# Altium PCB ReconProbe.PcbDoc (part 3 of 4)
Units mm, origin at the board's own origin, x right, y up, seen from the top; angles counter-clockwise.
Board outline 177 x 102.23 mm, 4 copper layers (Top Layer, Layer 2, Layer 3, Bottom Layer), stack 1.624 mm thick; 383 components, 277 nets, 1385 pads, 589 vias.
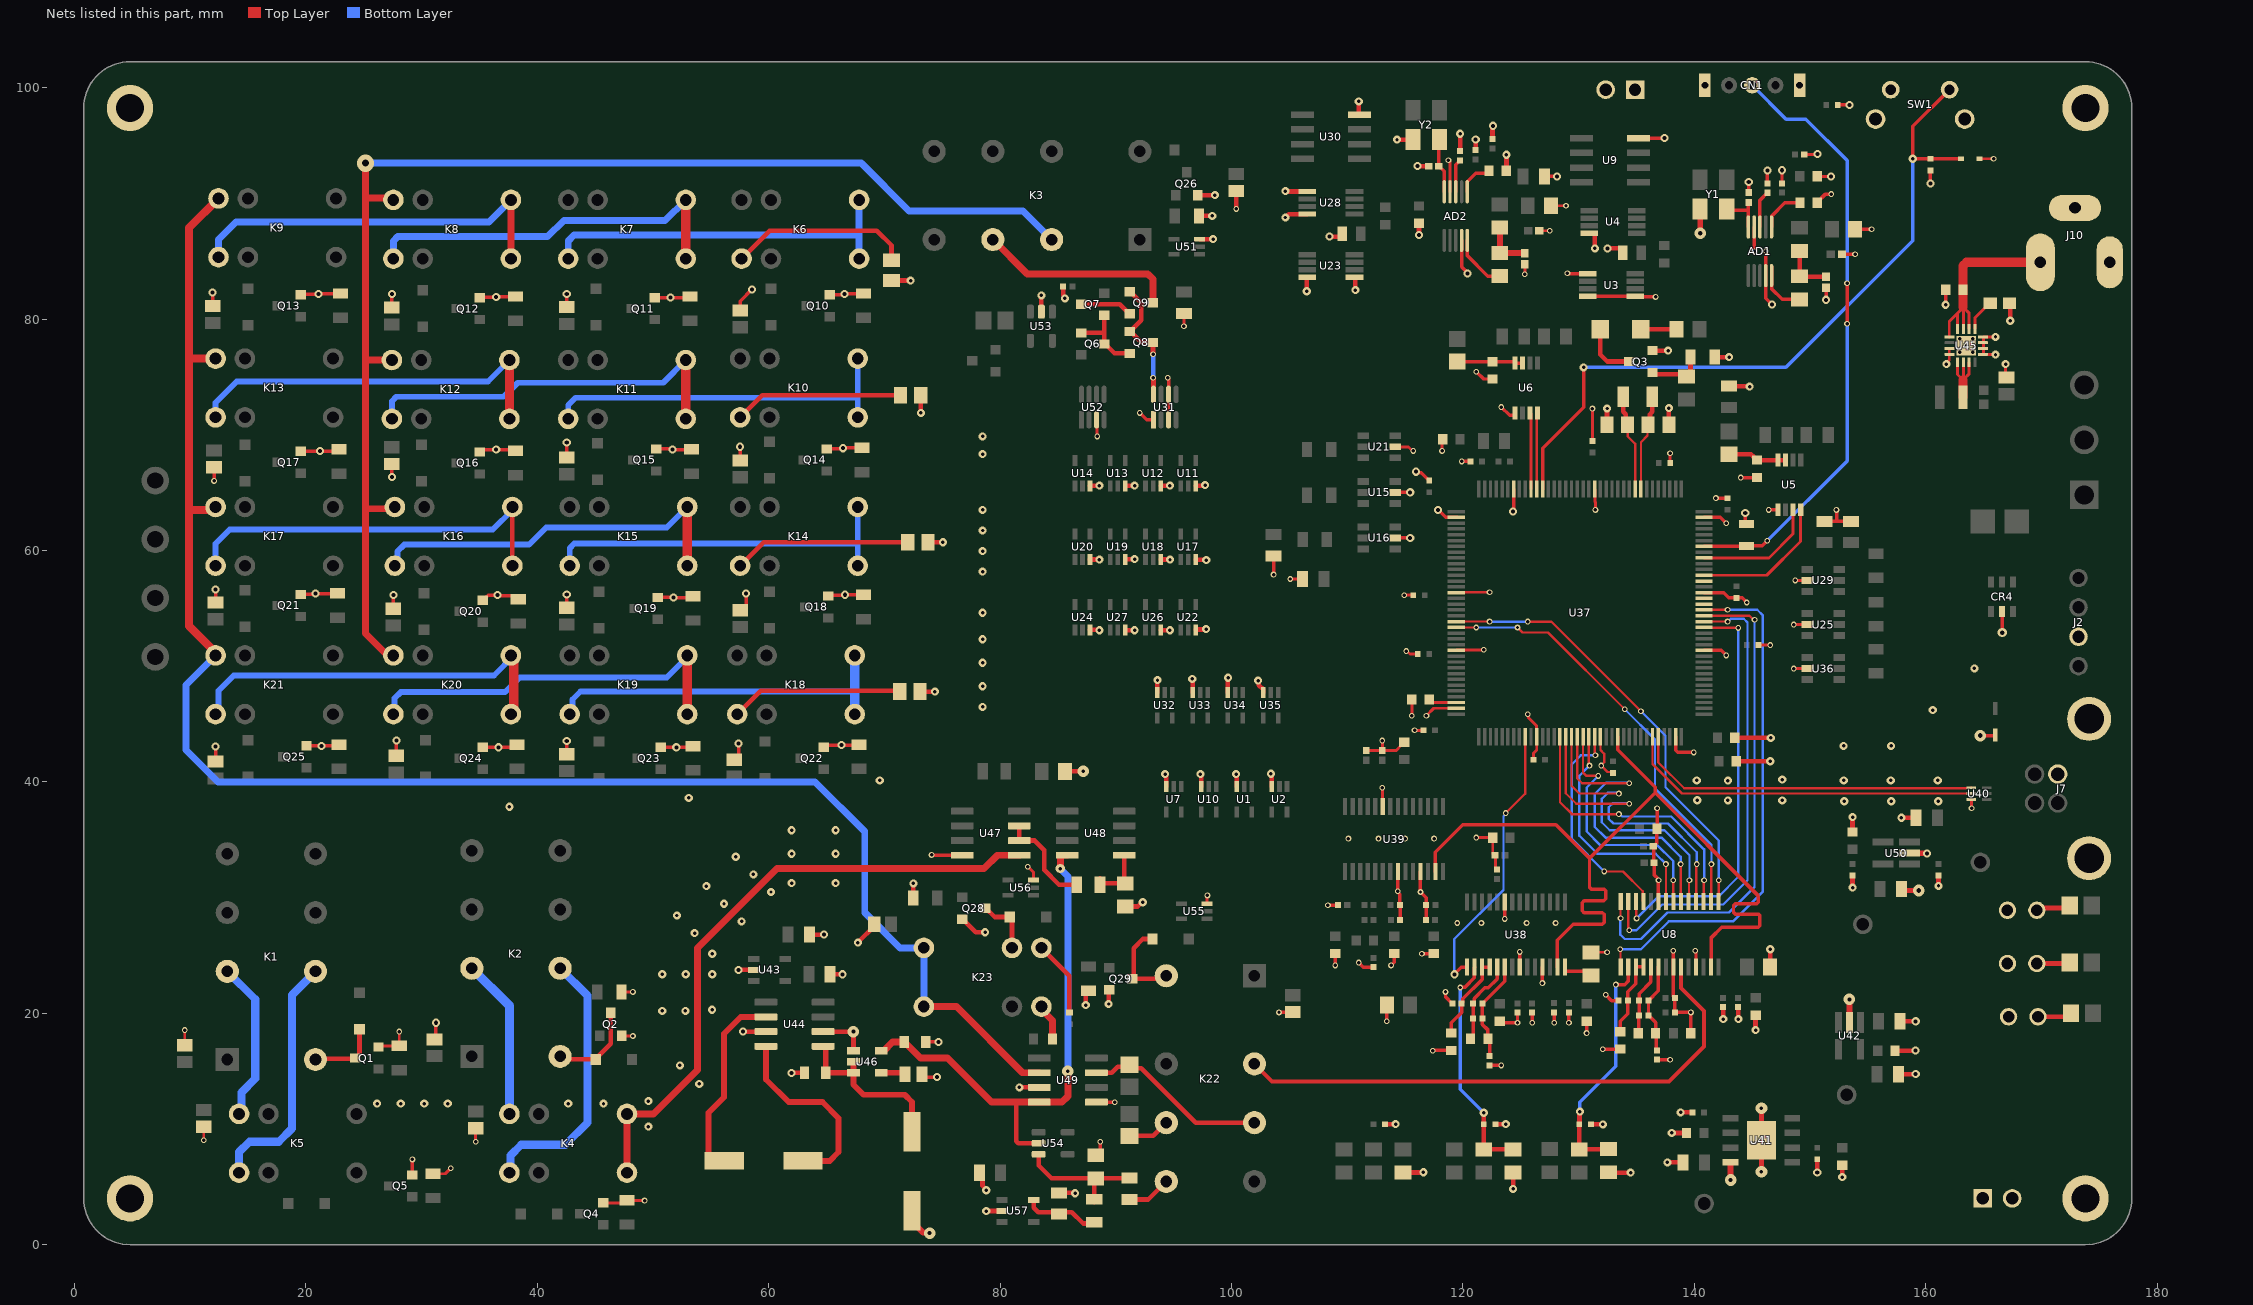
[diagram p5: the nets of this part, all layers, seen from the top]

## Via types
v1: diameter 0.5, hole 0.3, Top Layer to Bottom Layer, 283 vias
v2: diameter 0.7, hole 0.3, Top Layer to Bottom Layer, 155 vias
v3: diameter 0.7, hole 0.35, Top Layer to Bottom Layer, 85 vias
v4: diameter 1, hole 0.3, Top Layer to Bottom Layer, 24 vias
v5: diameter 0.8, hole 0.3, Top Layer to Bottom Layer, 16 vias
v6: diameter 1.2, hole 0.3, Top Layer to Bottom Layer, 7 vias
v7: diameter 0.8, hole 0.4, Top Layer to Bottom Layer, 4 vias
v8: diameter 1, hole 0.35, Top Layer to Bottom Layer, 4 vias
v9: diameter 1, hole 0.4, Top Layer to Bottom Layer, 4 vias
v10: diameter 1.2, hole 0.5, Top Layer to Bottom Layer, 2 vias
v11: diameter 1.5, hole 0.6, Top Layer to Bottom Layer, 2 vias
v12: diameter 1.2, hole 0.35, Top Layer to Bottom Layer, 1 vias
v13: diameter 1.2, hole 0.4, Top Layer to Bottom Layer, 1 vias
v14: diameter 0.8, hole 0.35, Top Layer to Bottom Layer, 1 vias

## Nets (pads, with @x,y where several pads share a name; then routed paths per layer and width w, separated by ;. In a path a pad name is that pad's centre, name@x,y a point inside that pad or via, vN(x,y) a via of type N, cw(c..) or ccw(c..) an arc to the next point about the centre after c; other vN are vias at no path point) (continued)
ADC2_MODE: C76.1 R30.1 R33.2 U38.2 | length 19.9
  Top Layer w0.3: v1(119.761,22.225) 119.799,22.263 120.18,22.263 120.988,23.071 120.988,23.954 U38.2@121.012,23.978
  Top Layer w0.4: R30.1@121.793,8.223 R30.1@121.801,8.231 ; v2(121.8,11.4) C76.1@121.801,10.414 R30.1@121.801,8.231 ; R33.2@124.333,8.239 121.809,8.239 R30.1@121.801,8.231
  Bottom Layer w0.3: v1(119.761,22.225) 119.761,13.439 v2(121.8,11.4)
ADC2_OTR: U37.81 U38.1 | length 24.5
  Top Layer w0.2: v1(123.7,37.3) 125.382,38.982 U37.81@125.382,43.981
  Top Layer w0.3: v3(119.253,23.368) 119.863,23.978 U38.1@120.362,23.978
  Bottom Layer w0.2: v3(119.253,23.368) 119.253,26.416 123.5,30.663 123.5,37.019 123.7,37.219 v1(123.7,37.3)
ADC2_PDWN: R23.2 U38.14 | length 2.7
  Top Layer w0.3: U38.14@128.812,23.978 128.812,23.65 128.84,23.622 130.699,23.622 R23.2@131.064,23.257
ADC2_PRESCALE: R29.2 U47.6 U47.7 | length 8.8
  Top Layer w0.4: U47.7@81.661,36.195 U47.6@81.661,34.925 83,34.925 83.82,34.105 83.82,32.385 85.09,31.115 R29.2@86.63,31.115
ADC2_REFB: C40.1 C41.1 C47.1 U38.5 | length 7.3
  Top Layer w0.3: C47.1@120.662,17.78 120.885,18.003 C40.1@120.885,19.558 C41.1@120.885,20.828 120.974,20.917 120.974,21.274 121.9,22.2 122.2,22.2 122.962,22.962 U38.5@122.962,23.978
ADC2_REFT: C40.2 C41.2 C47.2 C48.1 U38.6 | length 8.7
  Top Layer w0.3: C48.1@122.301,16.294 122.301,17.641 C47.2@122.162,17.78 122.162,18.554 121.685,19.031 C40.2@121.685,19.558 C41.2@121.685,20.828 123.612,22.755 U38.6@123.612,23.978
ADC2_SCALE: R29.1 R35.2 U48.5 | length 4.8
  Top Layer w0.25: R29.1@88.63,31.75 R29.1@88.757,31.623
  Top Layer w0.4: R29.1@88.63,31.115 88.757,31.242 R35.2@90.789,31.242 ; U48.5@90.735,33.655 90.735,31.296 R35.2@90.789,31.242 ; R35.2@90.805,31.226 R35.2@90.789,31.242
ADC2_SENSE: C42.1 C51.1 U38.3 U38.4 | length 7.4
  Top Layer w0.3: C42.1@118.999,18.288 118.999,19.177 119.888,20.066 C51.1@119.888,20.828 119.998,20.938 119.998,21.254 121.662,22.918 U38.3@121.662,23.978 U38.4@122.312,23.978
ADC2_VIN+: K4.3 K4.4 U47.5 | length 54.4
  Top Layer w0.6: K4.3@47.752,6.223 K4.4@47.752,11.303 50.038,11.303 53.848,15.113 53.848,25.654 60.706,32.512 78.613,32.512 79.756,33.655 U47.5@81.661,33.655
ADC3_D0: U8.15 U37.56 | length 38.3
  Top Layer w0.2: U37.56@119.432,53.856 v1@122.293,53.856 ; v1(125.603,53.848) 127.635,53.848 v1(135.382,46.101) ; U8.15@142.102,29.793 142.102,31.485 v1(142.113,31.496)
  Bottom Layer w0.2: v1(122.301,53.848) v1(125.603,53.848) ; v1(135.382,46.101) 137.5,43.983 137.5,39.538 142.113,34.925 v1(142.113,31.496)
ADC3_D1: U8.16 U37.57 | length 37.4
  Top Layer w0.2: U37.57@119.432,53.356 119.448,53.34 v1(121.158,53.34) ; v1(124.714,53.34) 125.154,52.9 127.36,52.9 v1(133.984,46.276) ; U8.16@141.459,29.494 141.459,32.874 v1(141.478,32.893)
  Bottom Layer w0.2: v1(121.158,53.34) v1(124.714,53.34) ; v1(133.984,46.276) 136.6,43.66 136.6,39.422 141.478,34.544 v1(141.478,32.893)
ADC3_D2: U8.17 U37.87 | length 24
  Top Layer w0.2: U37.87@128.382,43.981 128.382,38.242 129.413,37.211 v1(133.477,37.211) ; U8.17@140.817,30.064 140.817,31.47 v1(140.843,31.496)
  Bottom Layer w0.2: v1(133.477,37.211) 133.548,37.211 133.759,37 138.006,37 140.843,34.163 v1(140.843,31.496)
ADC3_D3: U8.18 U37.88 | length 26.6
  Top Layer w0.2: U37.88@128.882,43.981 128.882,39.012 129.794,38.1 v1(134.366,38.1) ; U8.18@140.174,29.924 140.174,32.859 v1(140.208,32.893)
  Bottom Layer w0.2: v1(134.366,38.1) 134.309,38.157 132.957,38.157 132.6,37.8 132.6,36.8 133,36.4 137.717,36.4 140.208,33.909 v1(140.208,32.893)
ADC3_D4: U8.19 U37.89 | length 25
  Top Layer w0.2: U37.89@129.382,43.981 129.382,39.655 130.048,38.989 v1(133.477,38.989) ; U8.19@139.491,29.859 139.532,29.9 139.532,31.455 v1(139.573,31.496)
  Bottom Layer w0.2: v1(133.477,38.989) 133.42,39.046 132.518,39.046 132,38.528 132,36.5 132.686,35.814 137.414,35.814 139.573,33.655 v1(139.573,31.496)
ADC3_D5: U8.20 U37.90 | length 27.4
  Top Layer w0.2: U37.90@129.882,43.981 129.882,40.298 130.302,39.878 v1(134.366,39.878) ; v1(138.811,32.893) 138.826,32.878 U8.20@138.826,29.197
  Bottom Layer w0.2: v1(134.366,39.878) 134.309,39.935 132.391,39.935 131.4,38.944 131.4,36.1 132.321,35.179 137.16,35.179 138.811,33.528 v1(138.811,32.893)
ADC3_D6: U8.21 U37.91 | length 21.6
  Top Layer w0.2: U37.91@130.382,43.981 130.382,40.814 130.683,40.513 v1(131.699,40.513) ; U8.21@138.176,29.94 v1(138.176,31.496)
  Bottom Layer w0.2: v1(131.699,40.513) 130.7,39.514 130.7,35.7 131.856,34.544 136.779,34.544 138.176,33.147 v1(138.176,31.496)
ADC3_D7: U8.22 U37.92 | length 20.8
  Top Layer w0.2: U37.92@130.882,43.981 130.882,41.457 v1(130.937,41.402) ; U8.22@137.541,29.64 v1(137.541,32.893)
  Bottom Layer w0.2: v1(130.937,41.402) 130.048,40.513 130.048,35.352 131.618,33.782 136.652,33.782 v1(137.541,32.893)
ADC3_D8: U8.25 U37.93 | length 19.4
  Top Layer w0.2: U37.93@131.382,43.981 131.382,42.435 131.445,42.372 v1(131.445,42.291) ; v1(132.207,32.258) 133.824,32.258 135.536,30.546 135.536,29.697 U8.25@135.591,29.642
  Bottom Layer w0.2: v1(131.445,42.291) 130.191,42.291 129.413,41.513 129.413,35.052 v1(132.207,32.258)
ADC3_D9: U8.26 U37.124 | length 36.1
  Top Layer w0.2: U8.26@134.971,29.42 134.971,28.224 v1(135.001,28.194) ; U37.124@140.757,53.356 140.785,53.328 143.772,53.328 v1(143.8,53.3)
  Bottom Layer w0.2: v1(135.001,28.194) 136.907,30.1 142.1,30.1 143.8,31.8 v1(143.8,53.3)
ADC3_D10: U8.27 U37.125 | length 40.9
  Top Layer w0.2: U8.27@134.291,29.642 134.291,27.334 134.366,27.259 v1(134.366,27.178) ; U37.125@140.757,53.856 140.761,53.852 142.871,53.852 v1(142.875,53.848)
  Bottom Layer w0.2: v1(134.366,27.178) 135.001,27.178 137.223,29.4 142.5,29.4 144.6,31.5 144.6,53.774 144.274,54.1 143.157,54.1 142.905,53.848 v1(142.875,53.848)
ADC3_D11: U8.28 U37.126 | length 44.2
  Top Layer w0.2: v1(133.622,28.212) 133.622,29.623 U8.28@133.641,29.642 ; U37.126@140.757,54.356 144.763,54.356 145.119,54 v1(145.2,54)
  Bottom Layer w0.2: v1(133.622,28.212) 133.604,28.194 133.604,26.797 133.985,26.416 135.382,26.416 137.668,28.702 143.002,28.702 145.2,30.9 v1(145.2,54)
ADC3_D13: U37.128
ADC3_D14: U37.129
ADC3_D15: U37.132
ADC3_INPUT: K22.7 U8.9 | length 48.4
  Top Layer w0.35: K22.7@101.981,15.621 103.502,14.1 137.798,14.1 140.843,17.145 140.843,20.193 138.841,22.195 U8.9@138.841,24.003
ADC3_MODE: C118.1 R75.1 R76.2 U8.2 | length 20.5
  Top Layer w0.3: v1(133.223,22.479) 133.985,22.479 134.291,22.785 U8.2@134.291,24.003
  Top Layer w0.4: R75.1@130.048,8.239 R75.1@130.056,8.247 ; v2(130.1,11.5) 130.078,11.478 130.078,10.436 C118.1@130.056,10.414 R75.1@130.056,8.247 ; R76.2@132.588,8.255 130.064,8.255 R75.1@130.056,8.247
  Bottom Layer w0.3: v2(130.1,11.5) 130.1,12.3 133.223,15.423 v1(133.223,22.479)
ADC3_OTR: U8.1 U37.127 | length 45.2
  Top Layer w0.2: v1(133.604,25.527) 133.622,25.509 U8.1@133.622,23.96 ; U37.127@140.757,54.856 140.761,54.86 142.871,54.86 v1(142.875,54.864)
  Bottom Layer w0.2: v1(133.604,25.527) 135.382,25.527 137.795,27.94 143.34,27.94 145.923,30.523 145.923,54.377 145.436,54.864 v1(142.875,54.864)
ADC3_REFB: C127.1 C129.1 C130.1 U8.5 | length 6.2
  Top Layer w0.3: C130.1@135.14,18.288 135.188,18.336 135.188,19.764 C129.1@135.236,19.812 C127.1@135.236,21.082 135.236,21.698 136.241,22.703 U8.5@136.241,24.003
ADC3_REFT: C127.2 C129.2 C130.2 C134.1 U8.6 | length 7.8
  Top Layer w0.3: C134.1@136.779,16.91 136.71,16.979 136.71,18.242 136.652,18.3 136.652,19.196 C129.2@136.036,19.812 C127.2@136.036,21.082 136.891,21.937 U8.6@136.891,24.003
ADC3_SENSE: C126.1 C128.1 U8.3 U8.4 | length 6.8
  Top Layer w0.3: C128.1@133.604,18.403 133.604,19.304 134.258,19.958 C126.1@134.258,21.082 134.258,21.863 134.941,22.546 U8.3@134.941,24.003 U8.4@135.591,24.003
ADC_CLK: U8.13 U37.97 U38.13 U39.13 | length 75.1
  Top Layer w0.3: U39.13@117.621,32.233 117.621,33.928 119.993,36.3 128.038,36.3 130.937,33.401 ; U38.13@128.162,23.978 128.162,26.308 129.54,27.686 132.046,27.686 132.207,27.847 132.207,28.541 132.046,28.702 130.463,28.702 130.302,28.863 130.302,29.557 130.463,29.718 132.173,29.718 132.334,29.879 132.334,30.573 132.173,30.734 131.098,30.734 130.937,30.895 130.937,33.401 ; U37.97@133.382,43.906 133.382,42.767 136.604,39.545 136.604,39.068 ; U8.13@141.441,24.003 141.441,26.506 142.367,27.432 145.508,27.432 145.669,27.593 145.669,28.414 145.508,28.575 143.544,28.575 143.383,28.736 143.383,29.303 143.544,29.464 145.381,29.464 145.542,29.625 145.542,30.131 136.604,39.068 ; 130.937,33.401 136.604,39.068
"Barrel VIN": C85.2 J10.1 U45.10 U45.11 U45.12 U45.13 | length 18.6
  Top Layer w0.25: U45.13@162.025,78.45 162.025,79.781 162.75,80.506 ; U45.12@162.75,79.175 162.75,80.506 ; U45.11@163.25,79.175 163.25,81.006 ; U45.10@163.75,79.175 163.75,80.506 163.25,81.006 ; 162.75,80.506 163.25,81.006
  Top Layer w0.8: 163.221,81.035 C85.2@163.221,82.513 163.221,84.592 163.529,84.9 J10.1@169.9,84.9
CurSense: K9.6 K13.6 K17.6 K21.6 K23.3 K23.4 U49.2 | length 148.3
  Top Layer w0.6: K23.4@73.406,20.574 76.226,20.574 81.941,14.859 U49.2@83.382,14.859
  Top Layer w0.7: K17.6@12.277,63.5 9.906,63.5 ; K21.6@12.446,50.927 9.906,53.467 9.906,63.5 ; K9.6@12.446,90.424 9.906,87.884 9.906,76.708 ; K13.6@12.573,76.581 K13.6@12.192,76.581 10.033,76.581 9.906,76.708 ; 9.906,63.5 9.906,76.708
  Bottom Layer w0.6: K21.6@12.192,50.927 9.652,48.387 9.652,42.748 12.4,40 64.013,40 68.3,35.713 68.3,28.7 71.346,25.654 K23.3@73.406,25.654 K23.4@73.406,20.574
DAC1_CLK: AD1.5 C120.1 Y1.3 | length 4
  Top Layer w0.3: Y1.3@142.8,89.5 142.9,89.4 144.669,89.4 ; AD1.5@144.669,87.952 144.669,89.4 ; C120.1@144.7,90.071 144.669,90.04 144.669,89.4
DAC2_CLK: AD2.5 C121.1 Y2.3 | length 4.7
  Top Layer w0.3: Y2.3@117.983,95.504 117.904,95.425 C121.1@117.904,93.218 117.925,93.218 118.38,92.763 AD2.5@118.38,91
DC_IOUT: K3.6 Q9.3 | length 17.3
  Top Layer w0.6: K3.6@79.375,86.868 82.343,83.9 92.757,83.9 93.202,83.455 Q9.3@93.202,81.407
DPDT1O1: K1.2 K5.1 | length 21.6
  Bottom Layer w0.7: K5.1@14.224,6.223 14.224,8.001 15.113,8.89 17.653,8.89 18.796,10.033 18.796,21.59 K1.2@20.828,23.622
DPDT1O2: K1.7 K5.6 | length 13.9
  Bottom Layer w0.7: K1.7@13.208,23.622 15.621,21.209 15.621,14.351 14.43,13.16 14.43,11.509 K5.6@14.224,11.303
DPDT2O1: K2.2 K4.1 | length 23.7
  Bottom Layer w0.7: K4.1@37.592,6.223 37.684,6.315 37.684,7.712 38.608,8.636 42.418,8.636 44.323,10.541 44.323,21.531 K2.2@41.967,23.887
DPDT2O2: K2.7 K4.6 | length 13.9
  Bottom Layer w0.8: K2.7@34.347,23.887 37.592,20.642 K4.6@37.592,11.303
DPDTMOS1: D1.1 K1.1 Q1.3 | length 6.2
  Top Layer w0.4: K1.1@20.828,16.002 20.892,16.066 24.209,16.066 Q1.3@24.273,16.129 24.323,16.129 24.638,16.444 D1.1@24.638,18.618
DPDTMOS2: D2.1 K2.1 Q2.3 | length 7.7
  Top Layer w0.4: K2.1@41.967,16.267 42.217,16.017 45.024,16.017 46.355,17.348 Q2.3@46.355,20.05
GND: AD1.4 AD1.9 AD2.4 AD2.9 C1.2 C2.2 C3.2 C4.1 C5.1 C6.2 C7.2 C9.2 C10.2 C11.2 C12.2 C13.1 C14.2 C15.2 C16.2 C18.2 C19.2 C20.2 C21.2 C25.2 C26.2 C27.2 C28.2 C29.2 C30.2 C31.2 C32.2 C33.2 C34.2 C35.2 C36.2 C37.2 C38.2 C39.2 C42.2 C43.2 C44.2 C45.2 C46.2 C48.2 C49.2 C50.2 C51.2 C52.2 C53.2 C54.2 C55.2 C56.1 C57.2 C58.2 C59.2 C60.2 C61.2 C62.2 C63.2 C64.2 C65.2 C66.2 C67.1 C68.2 C69.1 C70.1 C71.1 C72.2 C73.2 C74.2 C75.2 C76.2 C77.2 C79.2 C81.1 C82.1 C84.1 C85.1 C86.2 C87.2 C88.1 C89.1 C90.2 C91.2 C92.2 C93.1 C94.1 C95.2 C96.1 C97.1 C98.2 C99.1 C100.1 C101.1 C102.1 C103.1 C104.1 C105.1 C106.1 C107.1 C108.1 C109.1 C110.1 C111.1 C112.1 C113.1 C114.1 C115.1 C116.1 C117.1 C118.2 C119.1 C120.2 C121.2 C122.1 C123.1 C124.1 C125.1 C126.2 C128.2 C131.2 C132.2 C133.2 C134.2 C135.2 C136.2 C137.2 C138.2 C139.2 C140.2 C141.1 C143.1 C144.2 C145.2 C146.1 C147.1 CN1.4 CN1.5 CR1.2 CR2.1 CR4.2 D22.2 D23.2 D28.2 J2.2 J7.4 J7.5 J7.6 J10.2 J10.3 J16.1 J16.2 J17.1 J17.2 pad.4 Q1.2 Q2.2 Q3.2 Q4.2 Q5.2 Q10.2 Q11.2 Q12.2 Q13.2 Q14.2 Q15.2 Q16.2 Q17.2 Q18.2 Q19.2 Q20.2 Q21.2 Q22.2 Q23.2 Q24.2 Q25.2 Q26.2 Q28.2 Q29.2 R8.1 R15.2 R22.1 R23.1 R31.1 R32.2 R33.1 R34.1 R35.1 R38.1 R39.2 R40.2 R41.1 R42.2 R43.2 R44.2 R45.2 R46.1 R47.1 R48.1 R49.1 R50.1 R51.1 R52.1 R53.1 R54.1 R55.1 R56.1 R57.1 R58.1 R59.1 R63.1 R64.2 R65.2 R67.2 R69.1 R70.1 R71.1 R72.1 R73.2 R76.1 R81.1 SW1.2 SW1.3 SW1.4 U1.3 U2.3 U3.1 U3.4 U3.5 U4.4 U5.1 U6.1 U7.3 U8.8 U8.11 U8.23 U9.4 U10.3 U11.3 U12.3 U13.3 U14.3 U15.2 U16.2 U17.3 U18.3 U19.3 U20.3 U21.2 U22.3 U23.4 U23.5 U24.3 U25.2 U26.3 U27.3 U28.1 U28.4 U29.2 U30.4 U31.1 U31.3 U31.6 U32.3 U33.3 U34.3 U35.3 U36.2 U37.16 U37.30 U37.38 U37.51 U37.61 U37.71 U37.83 U37.94 U37.107 U37.120 U37.130 U37.143 U38.8 U38.11 U38.23 U39.8 U39.11 U39.23 U40.3 U41.8 U41.EPAD U42.2 U43.2 U44.3 U44.6 U45.5 U45.6 U45.7 U45.8 U45.15 U45.16 U45.17 U45.18 U45.19 U45.20 U45.21 U45.22 U46.1 U47.4 U49.3 U49.5 U50.2 U51.3 U52.3 U53.2 U55.3 U56.3 U57.2 Y1.2 Y2.2 | length 431.4
  Top Layer w0.2: Q5.2@29.194,6.03 Q5.2@29.294,6.13 ; U37.94@131.882,43.906 131.882,42.743 132.207,42.418 132.207,41.684 131.953,41.43 v1(131.953,41.402) 132.502,40.853 132.891,40.853 C59.2@132.969,40.775
  Top Layer w0.25: C110.1@9.525,17.236 v1(9.525,18.542) ; v1(11.176,9.017) C104.1@11.176,10.196 ; Q1.2@26.273,17.079 26.373,17.179 R39.2@28.067,17.179 v1(28.067,18.415) ; R43.2@30.988,6.13 32.038,6.13 v1(32.512,6.604) ; v1(34.671,8.89) C103.1@34.671,10.069 ; Q4.2@45.704,3.617 47.525,3.617 R42.2@47.752,3.844 47.786,3.81 v1(49.276,3.81) ; R40.2@47.278,21.844 v1(48.26,21.844) ; Q2.2@47.305,18.05 47.321,18.034 v1(48.26,18.034) ; v1(82.396,32.666) 82.9,32.162 82.9,31.586 82.888,31.574 U56.3@82.888,31.511 ; U49.5@88.322,12.319 U49.5@88.331,12.31 ; U52.3@88.336,71.29 88.364,71.262 88.364,69.878 v1(88.392,69.85) ; v1(95.885,79.375) C13.1@95.885,80.482 ; U55.3@97.874,29.479 97.874,30.14 v1(97.917,30.183) ; U34.3@99.68,47.709 U34.3@99.687,47.716 ; U35.3@102.728,47.709 U35.3@102.735,47.716 ; C54.2@111.633,42.72 C53.2@113.03,42.72 ; v1(113.03,39.497) 113.051,39.476 113.051,37.892 U39.23@113.071,37.871 ; v1(113.03,43.561) C53.2@113.03,42.72 ; v1(113.411,19.304) v1@113.427,19.32 ; v1(113.792,24.13) v1@113.792,24.138 ; U21.2@114.151,68.961 114.182,68.93 115.302,68.93 115.632,68.6 v1(115.7,68.6) ; C52.2@114.935,43.422 114.885,43.422 114.61,43.147 114.61,43.097 114.233,42.72 C53.2@113.03,42.72 ; v1(114.935,56.134) C64.2@115.697,56.134 C64.2@115.805,56.134 ; v1(115.1,51.3) 115.168,51.3 115.414,51.054 C77.2@116.086,51.054 ; v1(115.582,45.708) C79.2@115.582,47.117 ; v1(115.824,44.45) C63.2@116.594,44.45 ; v2@116.57,6.239 v2(116.586,6.255) ; v1(116.84,45.72) 117.476,46.356 U37.71@119.432,46.356 ; v1(117.396,16.764) v1@117.42,16.788 ; C37.2@117.463,25.146 C37.2@117.475,25.158 ; v1(118.2,68.6) 118.2,69.547 C70.1@118.249,69.596 ; U37.61@119.432,51.356 119.457,51.381 120.176,51.381 120.203,51.408 v1(121.789,51.408) ; U37.51@119.432,56.356 119.457,56.381 120.18,56.381 120.187,56.388 v1(122.301,56.388) ; v3@121.1,95.498 v3(121.103,95.501) ; v1(121.158,35.179) C46.2@122.567,35.179 ; C46.2@122.567,34.925 122.579,34.913 122.579,33.816 122.74,33.655 C49.2@122.761,33.655 122.801,33.615 122.801,32.539 C36.2@122.936,32.404 ; C34.2@123.19,19.316 C34.2@123.329,19.177 ; C145.2@123.75,92.8 C145.2@123.762,92.812 ; v1(124.9,25.3) v1@124.906,25.294 ; U38.8@124.906,23.984 U38.8@124.912,23.978 ; v1(125.349,83.877) C15.2@125.349,84.738 ; v1(125.603,45.847) 125.651,45.799 125.651,45.549 126.357,44.843 126.357,43.931 U37.83@126.382,43.906 126.382,42.757 126.1,42.475 C62.2@126.1,41.9 ; C16.2@126.59,87.63 v1(127.508,87.63) ; v1@126.862,22.617 v1(126.873,22.606) ; R81.1@127.603,89.789 v1(128.905,89.789) ; C118.2@131.056,10.414 C118.2@131.063,10.407 ; R23.1@131.064,25.257 131.08,25.273 v1(132.461,25.273) ; C66.2@131.191,69.461 v1(131.191,72.263) ; U37.16@131.382,65.306 131.407,65.281 131.407,64.207 131.445,64.169 v1(131.445,63.5) ; v1(132.08,16.891) v1@132.092,16.903 ; v2@132.093,10.407 v2(132.1,10.4) ; R76.1@132.588,6.255 R76.1@132.62,6.223 ; v1(137.9,68.4) 137.907,68.393 137.907,67.571 C65.2@137.914,67.564 ; C136.2@142.494,20.536 C136.2@142.497,20.533 ; v2@142.497,19.503 v2(142.5,19.5) ; U41.8@143.123,7.112 U41.8@143.129,7.106 ; C75.2@143.498,41.91 C75.2@143.625,41.783 ; C57.2@143.498,43.815 C57.2@143.513,43.8 ; C137.2@143.764,20.536 C137.2@143.782,20.518 ; v2@143.782,19.518 v2(143.8,19.5) ; C72.2@145.534,51.816 v1(146.558,51.816) ; R41.1@146.542,24.003 R41.1@146.558,24.019 ; U5.1@147.221,63.5 U5.1@147.234,63.513 ; v1(148.59,49.784) U36.2@149.755,49.784 ; v1(148.59,53.594) U25.2@149.755,53.594 ; v1(148.717,57.404) U29.2@149.755,57.404 ; C3.2@149.623,94.234 150.627,94.234 v3(150.654,94.261) ; v2(161.784,76.104) 161.784,76.218 162.025,76.459 U45.15@162.025,77.45 ; U40.3@163.919,38.489 163.955,38.489 163.957,38.487 v1(163.957,37.719) ; CR1.2@164.63,93.853 v1(165.862,93.853) ; v2(166.027,78.449) 164.975,78.45 164.975,76.95 166.003,76.95 v2(166.027,76.925) ; v2(166.9,76.1) 166.9,75.04 C87.2@166.984,74.956 ; C86.2@167.235,81.37 C86.2@167.297,81.308
  Top Layer w0.3: C119.1@11.938,81.117 v3(11.938,82.296) ; v1(12.065,66.004) C109.1@12.065,67.183 ; C100.1@12.192,41.747 v3(12.192,43.053) ; C114.1@12.192,55.499 v3(12.192,56.63) ; Q21.2@19.288,56.195 19.321,56.228 20.795,56.228 v3(20.828,56.261) 22.699,56.261 R55.1@22.733,56.295 ; Q13.2@19.542,82.103 19.575,82.136 21.049,82.136 v3(21.082,82.169) 21.116,82.203 R47.1@22.987,82.203 ; Q17.2@19.558,68.575 19.56,68.578 21.207,68.578 v3(21.209,68.58) 22.699,68.58 R51.1@22.86,68.741 ; Q25.2@20.05,43.114 v3(21.336,43.114) 22.76,43.114 R59.1@22.86,43.214 ; v3(27.432,66.342) C111.1@27.432,67.473 ; C115.1@27.432,80.99 v3(27.432,82.169) ; C107.1@27.559,54.955 v3(27.559,56.134) ; C99.1@27.813,42.255 v3(27.813,43.561) ; Q5.2@29.194,6.03 29.194,7.35 v1(29.21,7.366) ; C117.1@31.115,17.907 31.242,18.034 v3(31.242,19.177) ; Q16.2@35.036,68.514 35.229,68.707 v3(36.449,68.707) 38.007,68.707 R50.1@38.1,68.614 ; Q12.2@35.036,81.849 35.069,81.882 36.416,81.882 v3(36.449,81.915) 38.066,81.915 R46.1@38.1,81.949 ; Q24.2@35.29,42.987 v3(36.645,42.987) 38,42.987 R58.1@38.227,43.214 ; Q20.2@35.29,55.687 35.34,55.687 35.59,55.937 35.59,55.973 35.751,56.134 v3(36.576,56.134) 36.623,56.087 38.054,56.087 R54.1@38.354,55.787 ; C106.1@42.545,42.382 v3(42.545,43.513) ; C102.1@42.545,55.046 v3(42.545,56.177) ; C112.1@42.545,68.036 v3(42.545,69.342) ; C116.1@42.545,81.026 v3(42.545,82.169) ; Q11.2@50.154,81.854 v3(51.496,81.854) 53.118,81.854 R45.2@53.213,81.949 ; Q15.2@50.276,68.768 51.628,68.768 v3(51.689,68.707) 53.306,68.707 R49.1@53.34,68.741 ; Q19.2@50.403,55.941 51.755,55.941 v3(51.777,55.919) 53.345,55.919 R53.1@53.467,56.041 ; Q23.2@50.657,42.987 v3(52.012,42.987) 53.367,42.987 R57.1@53.467,43.087 ; C108.1@57.023,41.91 57.027,41.91 57.404,42.287 v3(57.404,43.307) ; C105.1@57.531,54.828 57.662,54.828 58.039,55.205 v3(58.039,56.261) ; C101.1@57.531,67.782 v3(57.531,68.961) ; C113.1@57.531,80.736 57.531,81.534 v3(58.547,82.55) ; U43.2@58.706,23.749 U43.2@58.921,23.749 ; v3(61.983,14.852) v3@61.99,14.859 ; Q22.2@64.754,42.987 64.947,43.18 v3(66.294,43.18) 67.784,43.18 R56.1@67.818,43.214 ; Q14.2@65.008,68.768 65.041,68.801 66.388,68.801 v3(66.421,68.834) 66.455,68.868 R48.1@68.072,68.868 ; Q18.2@65.135,56.068 65.185,56.118 66.532,56.118 v3(66.582,56.168) R52.1@68.199,56.168 ; Q10.2@65.262,82.103 66.482,82.103 v3(66.548,82.169) 68.165,82.169 R44.2@68.199,82.203 ; v2@72.249,83.326 v2(72.263,83.312) ; v2@73.138,71.896 v2(73.152,71.882) ; C91.2@73.267,14.732 73.521,14.478 v3(74.549,14.478) ; C90.2@73.569,17.526 v3(74.676,17.526) ; v1(74.072,33.686) 74.103,33.655 U47.4@76.721,33.655 ; C147.1@78.196,6.223 C147.1@78.2,6.227 ; v2(78.8,2.9) v2@78.811,2.91 ; U57.2@80.158,2.91 U57.2@80.169,2.921 ; v2@86.451,4.481 v2(86.487,4.445) ; R63.1@88.265,7.731 88.646,8.112 v1(88.646,8.89) ; U49.5@88.331,12.31 89.891,12.31 v1(89.9,12.3) ; v1(92.071,71.882) 92.075,71.882 92.667,71.29 U31.1@93.259,71.29 ; v1(94.488,74.93) 94.488,74.876 94.559,74.805 U31.6@94.559,73.49 U31.3@94.559,71.29 ; Q26.2@97.089,90.694 Q26.2@97.095,90.7 ; v1(103.632,57.912) C125.1@103.632,59.527 ; v1(104.101,20.066) 104.137,20.102 C143.1@105.283,20.102 ; v1(105.065,57.531) C122.1@106.136,57.531 ; v1(108.331,29.337) C21.2@109.201,29.337 ; v1(108.966,24.13) C25.2@108.966,25.158 ; R15.2@109.313,87.122 109.563,87.372 R15.2@109.563,87.376 ; v1(110.998,24.384) 111.398,23.984 C30.2@112.268,23.984 ; U30.4@110.998,97.714 U30.4@111.049,97.663 ; v1@113.427,19.32 R31.1@113.427,20.701 ; v1@113.792,24.138 114.046,24.392 C31.2@114.046,25.158 ; U16.2@114.151,61.087 v3(115.443,61.087) ; U15.2@114.151,65.024 v3(115.443,65.024) ; U39.8@114.371,32.233 v1(114.371,30.551) 114.371,30.483 114.554,30.3 C29.2@114.554,29.337 114.563,29.328 114.563,28.076 C26.2@114.573,28.067 ; v3(115.951,66.802) 116.028,66.725 116.401,66.725 C60.2@117.094,66.032 ; U39.11@116.321,32.233 116.321,30.491 v1(116.332,30.48) 116.332,30.43 116.382,30.43 116.821,29.991 C33.2@116.821,29.337 116.812,29.328 116.812,28.076 C32.2@116.802,28.067 ; v1(116.459,25.146) C37.2@117.463,25.146 ; v1@117.42,16.788 C42.2@118.999,16.788 ; v3(117.856,63.5) 118.5,62.856 U37.38@119.432,62.856 U37.38@119.507,62.856 ; v1(118.491,21.844) 118.491,21.425 C51.2@119.088,20.828 ; v1(118.745,93.726) 118.745,93.672 118.88,93.537 AD2.4@118.88,91 ; AD2.9@119.88,86.8 119.88,85.95 119.888,85.942 119.888,84.5 120.396,83.992 v3(120.396,83.947) ; v1(119.888,67.691) C74.2@120.658,67.691 ; v1(121.158,75.438) 121.781,74.815 C5.1@122.555,74.815 ; C48.2@122.301,15.494 v1(123.317,15.494) ; v3@122.555,96.655 v3(122.6,96.7) ; v1(123.317,72.39) 124.033,71.674 124.422,71.674 124.501,71.595 U6.1@124.501,71.514 ; C34.2@123.329,19.177 v1(124.714,19.177) C45.2@124.714,20.047 ; v1(123.612,28.153) U38.23@123.612,29.616 ; v3(124.333,63.373) 124.382,63.422 U37.30@124.382,65.306 ; U38.8@124.906,23.984 v1@124.906,25.294 ; v1(125.984,19.177) C44.2@125.984,20.047 ; v1@126.862,22.617 U38.11@126.862,23.978 ; C2.2@127.036,92.329 v3(128.115,92.329) ; v1(127.889,19.177) C38.2@127.889,20.066 ; v1(129.032,83.947) 129.053,83.926 130.777,83.926 U3.1@130.797,83.906 ; v1(129.159,19.177) C39.2@129.159,20.066 ; v1(130.683,18.288) C35.2@130.683,19.316 ; U3.4@130.797,81.956 U3.5@134.887,81.956 134.907,81.936 136.631,81.936 v1(136.652,81.915) ; v1@132.092,16.903 C128.2@133.604,16.903 ; v1(132.334,21.59) 132.842,21.082 C126.2@133.458,21.082 ; R8.1@133.57,86.106 133.82,85.856 R8.1@133.82,85.725 ; U9.4@135.179,95.631 v3(137.414,95.631) ; C134.2@136.779,15.983 v1(137.903,15.983) ; v1(136.779,37.719) 136.779,35.953 C135.2@136.767,35.941 136.767,34.738 136.628,34.6 136.628,34.578 136.467,34.417 C139.2@136.446,34.417 136.485,34.377 136.485,33.06 C140.2@136.525,33.02 136.525,31.945 136.906,31.564 v1(136.906,31.496) 136.891,31.481 U8.23@136.891,29.642 ; v1(138.176,25.4) 138.183,25.393 U8.8@138.183,24.003 ; U8.8@138.191,24.003 138.191,21.467 C131.2@138.322,21.336 C132.2@138.322,20.066 v1(139.7,20.066) 139.7,18.3 C133.2@139.688,18.288 ; U37.107@138.382,43.906 138.382,42.72 138.557,42.545 v1(139.954,42.545) ; v1(140.081,25.4) 140.141,25.34 U8.11@140.141,24.003 ; U37.120@140.832,51.356 142.319,51.356 v1(142.748,50.927) ; U37.130@140.832,56.356 142.526,56.356 142.986,55.896 C61.2@143.637,55.896 144.129,55.896 v1(144.526,55.499) ; U37.143@140.832,62.856 142.249,62.856 v1(142.748,62.357) ; v1(141.859,64.524) 141.867,64.516 142.867,64.516 C58.2@142.875,64.508 ; v1(144.018,66.294) 144.024,66.3 145.409,66.3 C4.1@145.415,66.306 ; v3(144.399,63.245) 144.399,62.418 R32.2@144.526,62.291 ; C120.2@144.7,90.929 v3(144.7,91.84) ; v1(145.161,85.852) 145.169,85.86 AD1.4@145.169,87.952 ; v1(146.169,85.86) AD1.9@146.169,83.752 146.169,81.796 v3(146.702,81.263) ; C12.2@146.304,91.713 v3(146.304,92.837) ; v1(146.431,63.5) U5.1@147.221,63.5 ; C10.2@147.574,91.857 v3(147.574,92.856) ; C11.2@150.61,92.329 150.622,92.317 v3(151.823,92.317) ; C144.2@150.622,90.043 150.622,90.093 151.292,90.763 151.787,90.763 v1(151.826,90.801) ; C123.1@151.257,62.52 152.307,62.52 ; v3(151.384,81.661) C6.2@151.384,82.706 ; v1(152.273,63.5) 152.307,63.466 152.307,62.52 ; C73.2@152.4,98.5 v3(153.416,98.5) ; C56.1@152.781,6.87 C56.1@152.787,6.864 ; C7.2@153.006,85.598 v1(153.895,85.598) ; C124.1@153.543,62.52 152.307,62.52 ; R67.2@153.892,87.757 v1(155.321,87.757) ; v3(160.401,91.702) C27.2@160.401,92.718 ; v2(161.721,81.231) C85.1@161.721,82.513 ; v9(164.7,44) 165.947,44 166,44.053 CR2.1@166,44.057 ; v7(166.6,52.9) CR4.2@166.6,54.724